# Altium PCB BW1097.PcbDoc (part 2 of 7) (continued)
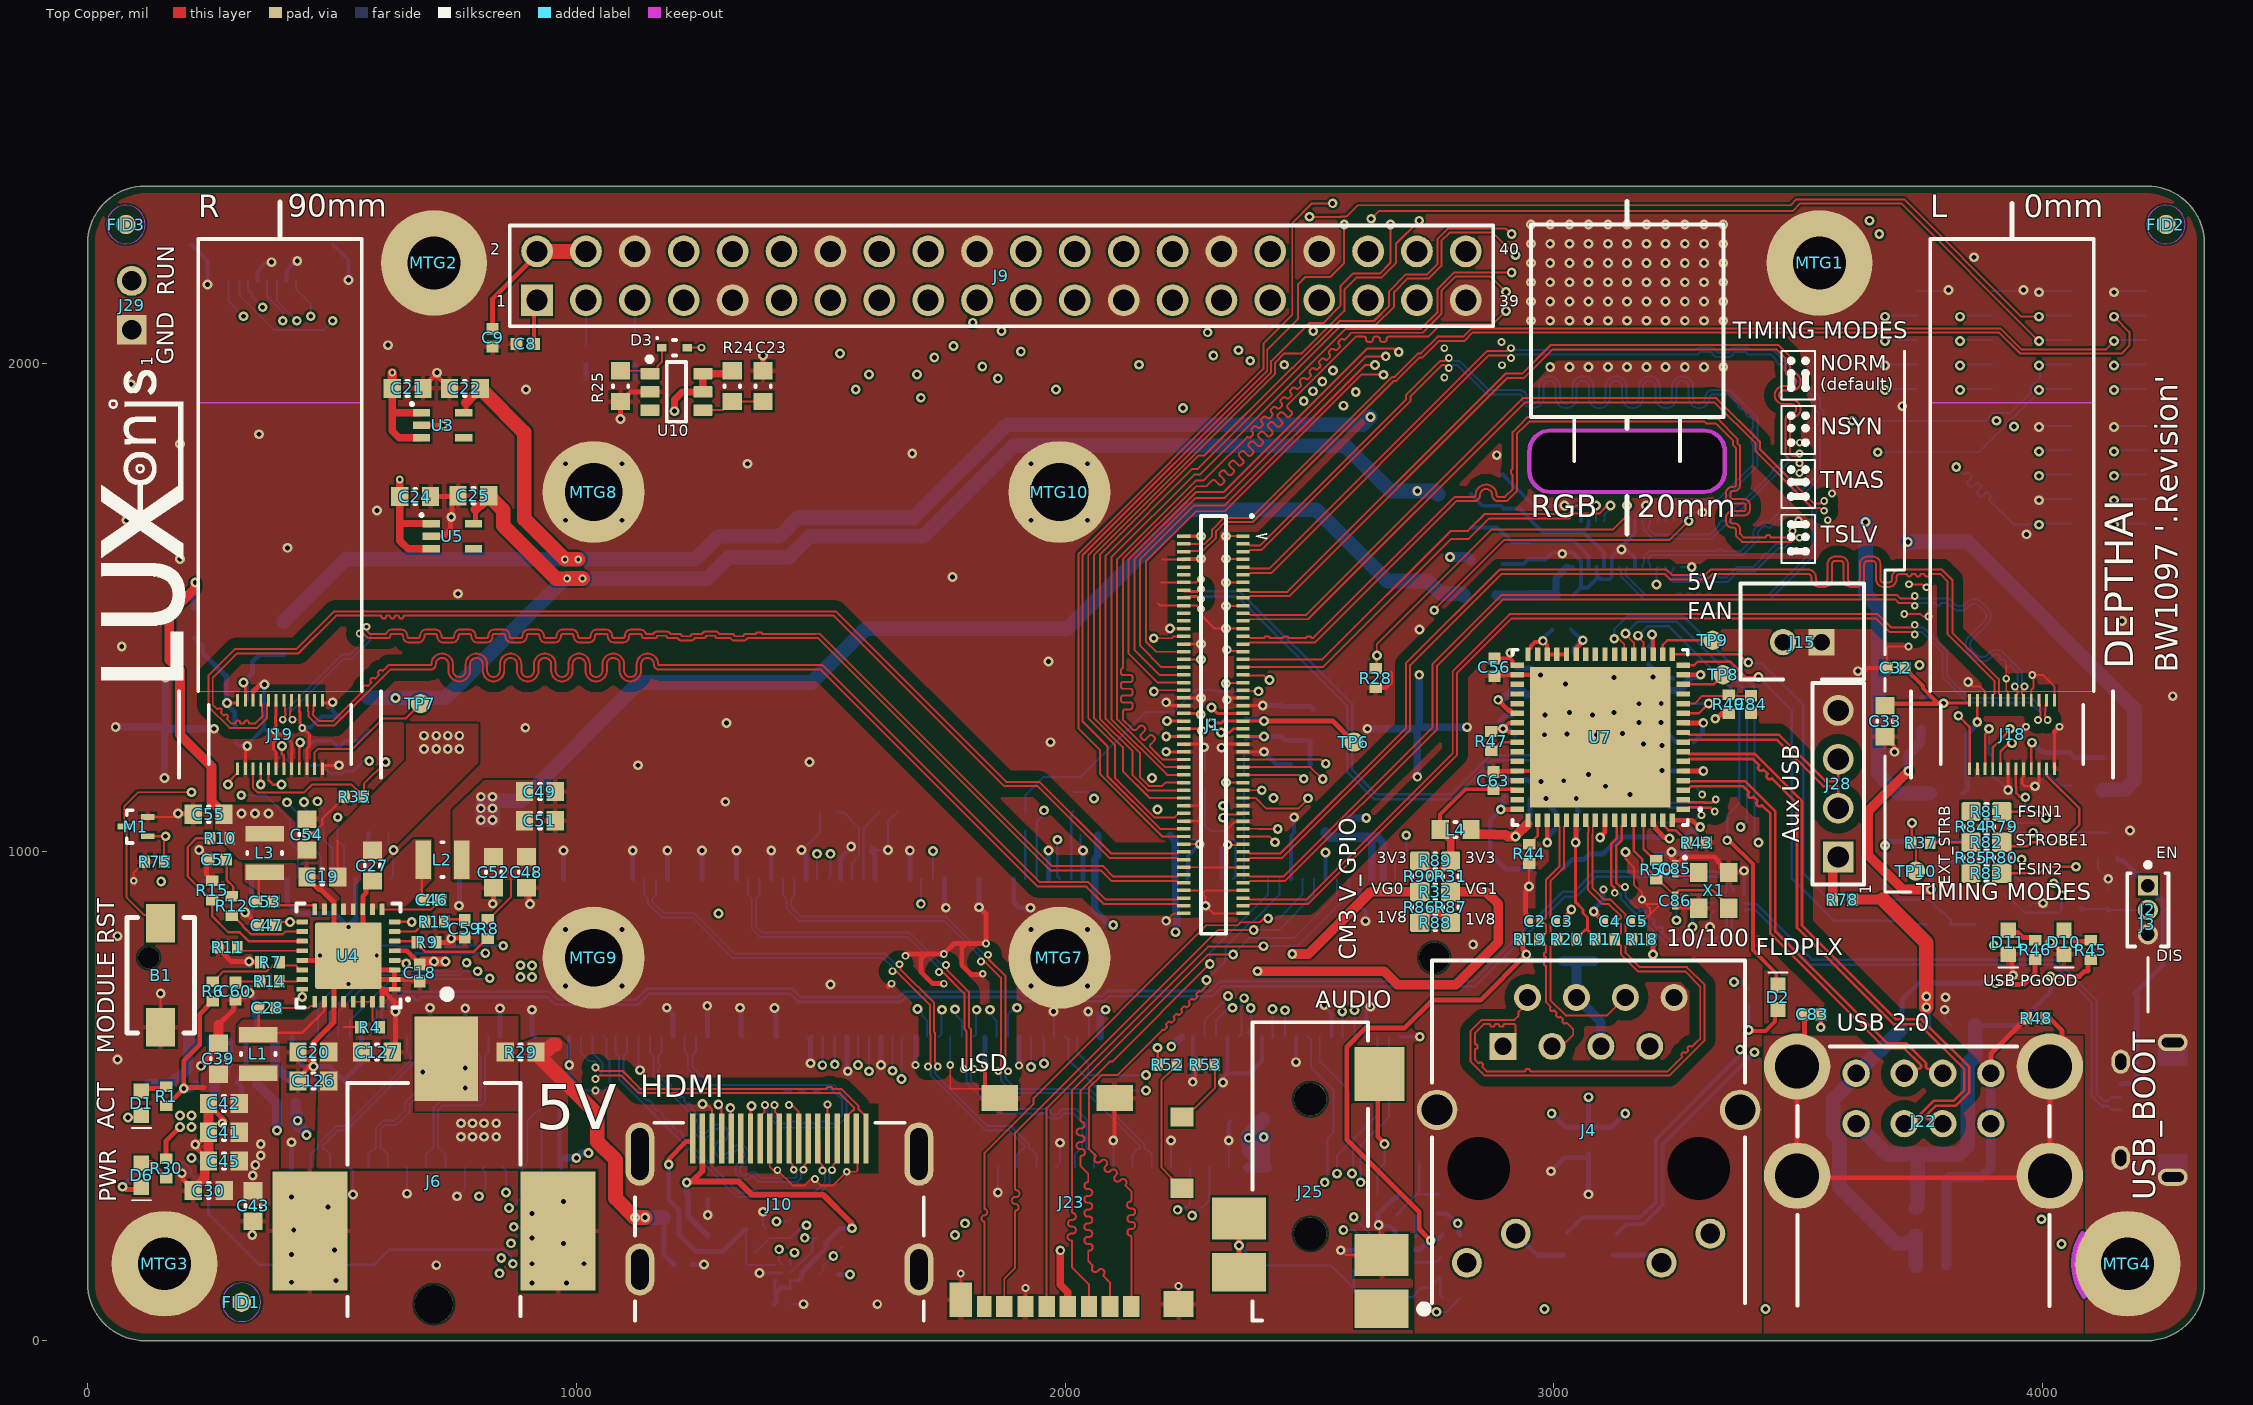
[diagram p0: Top Copper view]
## Part data (continued)
R70 R72: library part RC0402FR-07100RL, "RES SMD 100 OHM 1% 1/16W 0402", Case/Package=0402, Case Code (Metric)=1005, Manufacturer 1=Yageo, Max Operating Temperature=155°C, Min Operating Temperature=-55°C, Power Rating=62.5mW, Resistance=100R, Supplier Part Number 1=311-100LRCT-ND, Temperature Coefficient=100ppm/°C, Tolerance=1%, Voltage Rating=50V, Case Code (Imperial)=0402, ComponentLink1Description=https://datasheet.ciiva.com/7849/1784430-7849810.pdf?src-supplier=Element14, ComponentLink1URL=https://datasheet.ciiva.com/7849/1784430-7849810.pdf?src-supplier=Element14, ComponentLink2Description=https://datasheet.ciiva.com/11808/0900766b80c66297-11808765.pdf?src-supplier=RSComponents, ComponentLink2URL=https://datasheet.ciiva.com/11808/0900766b80c66297-11808765.pdf?src-supplier=RSComponents, ComponentLink3Description=https://datasheet.ciiva.com/12667/pyu-rc0402-51-rohs-l-6-r-12667957.pdf?src-supplier=Mouser, ComponentLink3URL=https://datasheet.ciiva.com/12667/pyu-rc0402-51-rohs-l-6-r-12667957.pdf?src-supplier=Mouser, ComponentLink4Description=https://datasheet.ciiva.com/22747/1018594-22747511.pdf?src-supplier=Element14, ComponentLink4URL=https://datasheet.ciiva.com/22747/1018594-22747511.pdf?src-supplier=Element14, ComponentLink5Description=https://datasheet.ciiva.com/28367/1018594-28367226.pdf?src-supplier=Element14, ComponentLink5URL=https://datasheet.ciiva.com/28367/1018594-28367226.pdf?src-supplier=Element14, ComponentLink6Description=https://datasheet.ciiva.com/16740/pyu-rc0402-51-rohs-l-6-r-16740566.pdf?src-supplier=Future+Electronics, ComponentLink6URL=https://datasheet.ciiva.com/16740/pyu-rc0402-51-rohs-l-6-r-16740566.pdf?src-supplier=Future+Electronics, ComponentLink7Description=https://datasheet.ciiva.com/15189/getdatasheetpartid-329466-15189335.pdf?src-supplier=Verical, ComponentLink7URL=https://datasheet.ciiva.com/15189/getdatasheetpartid-329466-15189335.pdf?src-supplier=Verical, Composition="Thick Film", Depth=0.5mm, Height=0.32mm, Lead Free="Lead Free", Length=1mm, Manufacturer Part Number 1=RC0402FR-07100RL, Military Standard=Not, Number of Pins=2, Packaging="Tape and Reel", Pricing 1="1=0.10000, 10=0.01600, 100=0.00640, 1000=0.00289, 2500=0.00251, 5000=0.00207 (USD)", REACH SVHC="No SVHC", RoHS=Yes, Stock 1=45349485, Supplier 1=Digi-Key, Supplier 2=Newark, Supplier 3=Mouser, Supplier Part Number 2=45Y6897, Supplier Part Number 3=603-RC0402FR-07100RL, Termination=SMD/SMT, Voltage Rating (DC)=50V, Width=0.5mm
TP6 TP7 TP8 TP9 TP10: library part TEST_POINT
U1: "LOAD SWITCH SC59", Case/Package=TO-236-3, Current=200mA, Manufacturer 1=Diodes, Max Operating Temperature=85°C, Max Supply Voltage=5.2V, Min Operating Temperature=-40°C, Min Supply Voltage=2.7V, On-State Resistance=350mR, Package Quantity=3000, Supplier Part Number 1=AP2331W-7DICT-ND, ComponentLink1Description=https://datasheet.ciiva.com/18567/ap2331-18567929.pdf?src-supplier=Digi-Key, ComponentLink1URL=https://datasheet.ciiva.com/18567/ap2331-18567929.pdf?src-supplier=Digi-Key, ComponentLink2Description=https://datasheet.ciiva.com/18567/ap2331-18567928.pdf?src-supplier=Digi-Key, ComponentLink2URL=https://datasheet.ciiva.com/18567/ap2331-18567928.pdf?src-supplier=Digi-Key, ComponentLink3Description=https://datasheet.ciiva.com/18567/ap2331-18567930.pdf?src-supplier=Digi-Key, ComponentLink3URL=https://datasheet.ciiva.com/18567/ap2331-18567930.pdf?src-supplier=Digi-Key, Fault Protection="Over Temperature,Reverse Current", Height=1.3mm, Interface=On/Off, Length=3.1mm, Manufacturer Part Number 1=AP2331W-7, Max Output Current=200mA, Mount="Surface Mount", Number of Outputs=1, Number of Pins=59, Output Configuration="High Side", Output Current=200mA, Packaging="Tape and Reel", Pricing 1="1=0.40000, 10=0.34100, 100=0.23660, 500=0.19110, 1000=0.14105 (USD)", Radiation Hardening=No, REACH SVHC="No SVHC", RoHS=Yes, Stock 1=5467, Supplier 1=Digi-Key, Supplier 2=Mouser, Supplier 3=Arrow, Supplier Part Number 2=621-AP2331W-7, Supplier Part Number 3=AP2331W-7, Turn-On Delay Time=700us, Voltage=5.2V, Width=1.7mm
U2: "TVS DIODE 3V 9WLCSP", Capacitance=29pF, Manufacturer 1="ON Semiconductor", Max Operating Temperature=85°C, Max Reverse Leakage Current=200nA, Min Breakdown Voltage=6V, Min Operating Temperature=-30°C, Package Quantity=5000, Power Line Protection=No, Reverse Standoff Voltage=3V, Supplier Part Number 1=ESD5384NCTBGOSCT-ND, ComponentLink1Description=https://datasheet.ciiva.com/11195/esd5384-d-11195286.pdf?src-supplier=Avnet, ComponentLink1URL=https://datasheet.ciiva.com/11195/esd5384-d-11195286.pdf?src-supplier=Avnet, ComponentLink2Description=https://datasheet.ciiva.com/12545/esd5384-d-119513-12545067.pdf?src-supplier=Mouser, ComponentLink2URL=https://datasheet.ciiva.com/12545/esd5384-d-119513-12545067.pdf?src-supplier=Mouser, ComponentLink3Description=https://datasheet.ciiva.com/354/esd5384-d-354168.pdf?src-supplier=Digi-Key, ComponentLink3URL=https://datasheet.ciiva.com/354/esd5384-d-354168.pdf?src-supplier=Digi-Key, Composition=Zener, Depth=1.14mm, Direction=Unidirectional, ESD Protection=Yes, Halogen Free="Halogen Free", Height=0.63mm, Lead Free="Lead Free", Length=1.14mm, Manufacturer Part Number 1=ESD5384NCTBG, Number of Lines=5, Number of Pins=9, Number of Unidirectional Channels=5, Packaging="Tape and Reel", Pricing 1="1=0.45000, 10=0.38600, 100=0.26780, 500=0.20910, 1000=0.16995 (USD)", Radiation Hardening=No, RoHS=Yes, Stock 1=729, Supplier 1=Digi-Key, Supplier 2=RSComponents, Supplier Part Number 2=8010213, Width=1.14mm
U3: "IC REG LINEAR 1.2V 200MA SC70-5", Case/Package=SC, Dropout Voltage=175mV, Manufacturer 1="Texas Instruments", Manufacturer Part Number 1=TLV70012DCKR, Manufacturer Part Number 2=TLV70012DCKT, Max Input Voltage=5.5V, Max Operating Temperature=125°C, Max Output Current=200mA, Max Output Voltage=1.2V, Max Power Dissipation=320mW, Min Current Limit=220mA, Min Input Voltage=2V, Min Operating Temperature=-40°C, Output Voltage Accuracy=2%, Package Quantity=1, Quiescent Current=30uA, Supplier Part Number 1=296-27438-1-ND, Accuracy=2%, ComponentLink1Description=https://datasheet.ciiva.com/26909/tlv70012dckr-26909420.pdf?src-supplier=IIIC, ComponentLink1URL=https://datasheet.ciiva.com/26909/tlv70012dckr-26909420.pdf?src-supplier=IIIC, ComponentLink2Description=https://datasheet.ciiva.com/46448/1836520-46448747.pdf?src-supplier=Element14, ComponentLink2URL=https://datasheet.ciiva.com/46448/1836520-46448747.pdf?src-supplier=Element14, ComponentLink3Description=http://components.arrow.com/part/dataview/48874348S9524109N7713?src-supplier=Arrow, ComponentLink3URL=http://components.arrow.com/part/dataview/48874348S9524109N7713?src-supplier=Arrow, ComponentLink4Description=http://components.arrow.com/part/dataview/0323_02210905?src-supplier=Arrow+Europe, ComponentLink4URL=http://components.arrow.com/part/dataview/0323_02210905?src-supplier=Arrow+Europe, ComponentLink5Description=http://www.ti.com/general/docs/lit/getliterature.tsp?genericPartNumber=TLV700&&fileType=pdf&src-supplier=Avnet, ComponentLink5URL=http://www.ti.com/general/docs/lit/getliterature.tsp?genericPartNumber=TLV700&&fileType=pdf&src-supplier=Avnet, ComponentLink6Description=http://focus.ti.com/lit/ds/symlink/tlv70033.pdf?src-supplier=Avnet, ComponentLink6URL=http://focus.ti.com/lit/ds/symlink/tlv70033.pdf?src-supplier=Avnet, ComponentLink7Description=http://www.ti.com/lit/ds/slvsa00e/slvsa00e.pdf?src-supplier=Digi-Key, ComponentLink7URL=http://www.ti.com/lit/ds/slvsa00e/slvsa00e.pdf?src-supplier=Digi-Key, ComponentLink8Description=http://www.ti.com/litv/slvsa00d?src-supplier=Mouser, ComponentLink8URL=http://www.ti.com/litv/slvsa00d?src-supplier=Mouser, Contact Plating=Gold, Lead Free="Lead Free", Manufacturer 2="Texas Instruments", Min Output Voltage=1.2V, Nominal Output Voltage=1.2V, Number of Outputs=1, Number of Pins=5, Number of Regulators=1, Output Current=200mA, Output Type=Fixed, Output Voltage=1.2V, Packaging="Tape and Reel", Polarity=Positive, Power Dissipation=320mW, Pricing 1="1=0.48000, 10=0.40900, 100=0.30570, 500=0.24020, 1000=0.18561 (USD)", Pricing 2="1=0.43000, 10=0.38000, 25=0.35000, 100=0.30000, 250=0.27000, 500=0.21000, 750=0.16000, 1000=0.14000 (USD)", Radiation Hardening=No, REACH SVHC="No SVHC", RoHS=Yes, Stock 1=8389, Stock 2=250, Supplier 1=Digi-Key, Supplier 2="TI store", Supplier Part Number 2=TLV70012DCKT
U4: "IC REG BCK ADJ 3A/2A TRPL 32VQFN Buck Switching Regulator IC Positive Adjustable 0.6V 3 Output 3A, 2A 32-VFQFN Exposed Pad", Case/Package=VQFN, Current - Output 1=3A, Current - Output 2=2A, Manufacturer=TI, Manufacturer 1="Texas Instruments", Manufacturer PN=TPS65266, Max Input Voltage=6.5V, Max Operating Temperature=85°C, Min Input Voltage=2.7V, Min Operating Temperature=-40°C, Min Output Voltage=600mV, Package=32-VQFN, Package Quantity=250, Quiescent Current=340uA, Supplier Part Number 1=296-38685-1-ND, Switching Frequency=2.4MHz, ComponentLink1Description=http://www.ti.com/general/docs/lit/getliterature.tsp?genericPartNumber=TPS65266&&fileType=pdf&src-supplier=Element14, ComponentLink1URL=http://www.ti.com/general/docs/lit/getliterature.tsp?genericPartNumber=TPS65266&&fileType=pdf&src-supplier=Element14, ComponentLink2Description=http://www.ti.com/general/docs/lit/getliterature.tsp?genericPartNumber=TPS65266&amp;&amp;fileType=pdf&src-supplier=Farnell, ComponentLink2URL=http://www.ti.com/general/docs/lit/getliterature.tsp?genericPartNumber=TPS65266&amp;&amp;fileType=pdf&src-supplier=Farnell, ComponentLink3Description=http://www.ti.com/general/docs/lit/getliterature.tsp?genericPartNumber=TPS65266&&fileType=pdf&src-supplier=Farnell, ComponentLink3URL=http://www.ti.com/general/docs/lit/getliterature.tsp?genericPartNumber=TPS65266&&fileType=pdf&src-supplier=Farnell, ComponentLink4Description=http://www.ti.com/lit/ds/symlink/tps65266.pdf?src-supplier=Digi-Key, ComponentLink4URL=http://www.ti.com/lit/ds/symlink/tps65266.pdf?src-supplier=Digi-Key, ComponentLink5Description=http://www.ti.com/lit/gpn/tps65266?src-supplier=Mouser, ComponentLink5URL=http://www.ti.com/lit/gpn/tps65266?src-supplier=Mouser, ComponentLink6Description=http://www.ti.com/general/docs/lit/getliterature.tsp?genericPartNumber=TPS65266&&fileType=pdf&src-supplier=Avnet, ComponentLink6URL=http://www.ti.com/general/docs/lit/getliterature.tsp?genericPartNumber=TPS65266&&fileType=pdf&src-supplier=Avnet, Lead Free="Lead Free", Manufacturer Part Number 1=TPS65266RHBT, Max Output Voltage=6.5V, Mount="Surface Mount", Number of Outputs=3, Number of Pins=32, Operating Supply Voltage=6.5V, Output Configuration=Positive, Output Current=2A, Output Type=Adjustable, Packaging="Tape and Reel", Pricing 1="1=4.01000, 10=3.59900, 100=2.94850 (USD)", REACH SVHC="No SVHC", RoHS=Yes, Stock 1=4557, Supplier 1=Digi-Key, Supplier 2="TI store", Supplier 3=Mouser, Supplier Part Number 2=TPS65266RHBT, Supplier Part Number 3=595-TPS65266RHBT, Synchronous Rectifier=Yes, Weight=0.002547oz
U5: "IC REG LINEAR 2.8V 200MA SC70-5 Linear Voltage Regulator IC  1 Output  200mA SC-70-5", Case/Package=SC, Dropout Voltage=175mV, Manufacturer 1="Texas Instruments", Manufacturer Part Number 1=TLV70028DCKT, Manufacturer Part Number 2=TLV70028DCKR, Max Input Voltage=5.5V, Max Operating Temperature=125°C, Max Output Current=200mA, Max Output Voltage=2.8V, Max Power Dissipation=320mW, Min Current Limit=220mA, Min Input Voltage=2V, Min Operating Temperature=-40°C, Nominal Supply Current=31uA, Output Voltage Accuracy=2%, Package Quantity=1, Quiescent Current=30uA, Supplier Part Number 1=296-25271-1-ND, Accuracy=2%, ComponentLink1Description=https://datasheet.ciiva.com/14149/tlv700-eng-ds-14149840.pdf?src-supplier=Distrelec, ComponentLink1URL=https://datasheet.ciiva.com/14149/tlv700-eng-ds-14149840.pdf?src-supplier=Distrelec, ComponentLink2Description=https://datasheet.ciiva.com/22700/1882059-22700172.pdf?src-supplier=Element14, ComponentLink2URL=https://datasheet.ciiva.com/22700/1882059-22700172.pdf?src-supplier=Element14, ComponentLink3Description=http://components.arrow.com/part/dataview/0323_00585634?src-supplier=Arrow+Europe, ComponentLink3URL=http://components.arrow.com/part/dataview/0323_00585634?src-supplier=Arrow+Europe, ComponentLink4Description=http://focus.ti.com/lit/ds/symlink/tlv70033.pdf?src-supplier=Avnet+Europe, ComponentLink4URL=http://focus.ti.com/lit/ds/symlink/tlv70033.pdf?src-supplier=Avnet+Europe, ComponentLink5Description=http://www.ti.com/lit/ds/slvsa00d/slvsa00d.pdf?src-supplier=Digi-Key, ComponentLink5URL=http://www.ti.com/lit/ds/slvsa00d/slvsa00d.pdf?src-supplier=Digi-Key, ComponentLink6Description=http://www.ti.com/lit/pdf/slyy050?src-supplier=Digi-Key, ComponentLink6URL=http://www.ti.com/lit/pdf/slyy050?src-supplier=Digi-Key, ComponentLink7Description=http://www.ti.com/general/docs/lit/getliterature.tsp?genericPartNumber=TLV700&&fileType=pdf&src-supplier=Avnet+Asia, ComponentLink7URL=http://www.ti.com/general/docs/lit/getliterature.tsp?genericPartNumber=TLV700&&fileType=pdf&src-supplier=Avnet+Asia, ComponentLink8Description=http://www.ti.com/general/docs/lit/getliterature.tsp?genericPartNumber=TLV700&&fileType=pdf&src-supplier=Avnet, ComponentLink8URL=http://www.ti.com/general/docs/lit/getliterature.tsp?genericPartNumber=TLV700&&fileType=pdf&src-supplier=Avnet, ComponentLink9Description=http://components.arrow.com/part/dataview/48329233S8322732N7713?src-supplier=Arrow, ComponentLink9URL=http://components.arrow.com/part/dataview/48329233S8322732N7713?src-supplier=Arrow, ComponentLink10Description=http://www.ti.com/litv/slvsa00d?src-supplier=Mouser, ComponentLink10URL=http://www.ti.com/litv/slvsa00d?src-supplier=Mouser, ComponentLink11Description=http://www.ti.com/lit/ds/slvsa00e/slvsa00e.pdf?src-supplier=Digi-Key, ComponentLink11URL=http://www.ti.com/lit/ds/slvsa00e/slvsa00e.pdf?src-supplier=Digi-Key, Contact Plating=Gold, Height=1mm, Lead Free="Lead Free", Length=2.15mm, Manufacturer 2="Texas Instruments", Max Supply Voltage=5.5V, Min Output Voltage=2.8V, Min Supply Voltage=2V, Nominal Output Voltage=2.8V, Number of Outputs=1, Number of Pins=5, Number of Regulators=1, Output Current=200mA, Output Type=Fixed, Output Voltage=2.8V, Packaging="Tape and Reel", Polarity=Positive, Power Dissipation=320mW, Power Rating=320mW, Pricing 1="1=0.55000, 10=0.46700, 100=0.34900 (USD)", Pricing 2="1=0.48000, 10=0.40900, 100=0.30570, 500=0.24020, 1000=0.18561 (USD)", Radiation Hardening=No, REACH SVHC="No SVHC", RoHS=Yes, Stock 1=832, Stock 2=30013, Supplier 1=Digi-Key, Supplier 2=Digi-Key, Supplier Part Number 2=296-39279-1-ND, Termination=SMD/SMT, Width=1.4mm
U6: library part FSUSB42UMX, "IC USB SWITCH DPDT 10UMLP", Manufacturer 1="ON Semiconductor / Fairchild", Max Operating Temperature=85°C, Max Supply Voltage=4.3V, Min Operating Temperature=-40°C, Min Supply Voltage=3V, Nominal Supply Current=1uA, On-State Resistance=6.5R, Output Current=100mA, Package Quantity=1, Supplier Part Number 1=FSUSB42UMXCT-ND, Bandwidth=720MHz, ComponentLink1Description=https://datasheet.ciiva.com/15108/getdatasheetpartid-189033-15108996.pdf?src-supplier=Verical, ComponentLink1URL=https://datasheet.ciiva.com/15108/getdatasheetpartid-189033-15108996.pdf?src-supplier=Verical, ComponentLink2Description=https://datasheet.ciiva.com/1504/1815547-1504946.pdf?src-supplier=Element14, ComponentLink2URL=https://datasheet.ciiva.com/1504/1815547-1504946.pdf?src-supplier=Element14, ComponentLink3Description=https://datasheet.ciiva.com/26074/fsusb42-26074741.pdf?src-supplier=Avnet+Europe, ComponentLink3URL=https://datasheet.ciiva.com/26074/fsusb42-26074741.pdf?src-supplier=Avnet+Europe, ComponentLink4Description=https://datasheet.ciiva.com/1561/fsusb42-1561415.pdf?src-supplier=Farnell, ComponentLink4URL=https://datasheet.ciiva.com/1561/fsusb42-1561415.pdf?src-supplier=Farnell, ComponentLink5Description=https://datasheet.ciiva.com/3233/fsusb42-3233259.pdf?src-supplier=Avnet, ComponentLink5URL=https://datasheet.ciiva.com/3233/fsusb42-3233259.pdf?src-supplier=Avnet, ComponentLink6Description=https://datasheet.ciiva.com/6638/fsusb42-6638604.pdf?src-supplier=Digi-Key, ComponentLink6URL=https://datasheet.ciiva.com/6638/fsusb42-6638604.pdf?src-supplier=Digi-Key, ComponentLink7Description=https://datasheet.ciiva.com/6638/fsusb42-6638607.pdf?src-supplier=Digi-Key, ComponentLink7URL=https://datasheet.ciiva.com/6638/fsusb42-6638607.pdf?src-supplier=Digi-Key, Data Rate=480Mbps, Height=0.5mm, Lead Free="Lead Free", Length=1.4mm, Manufacturer Part Number 1=FSUSB42UMX, Mount="Surface Mount", Number of Channels=1, Number of Inputs=2, Number of Outputs=2, Number of Pins=10, Number of Ports=2, Operating Supply Voltage=4.3V, Packaging="Tape and Reel", Pricing 1="1=0.59000, 10=0.50200, 100=0.34810, 500=0.28120, 1000=0.20755 (USD)", Propagation Delay=0.25ns, Radiation Hardening=No, REACH SVHC="No SVHC", RoHS=Yes, Stock 1=31151, Supplier 1=Digi-Key, Supplier 2=Mouser, Supplier 3=Arrow, Supplier 4=Farnell, Supplier Part Number 2=512-FSUSB42UMX, Supplier Part Number 3=FSUSB42UMX, Supplier Part Number 4=1495467, Supply Type=Single, Termination=SMD/SMT, Throw Configuration=DPDT, Turn-Off Delay Time=25ns, Turn-On Delay Time=30ns, Weight=18.08g, Width=1.8mm
U7: "IC USB 2.0 ETHER CTRLR 64QFN Ethernet Bridge, USB to Ethernet USB 2.0, 10/100 Base-T/TX PHY USB Interface 64-QFN (9x9)", Case/Package=QFN, Manufacturer 1=Microchip, Max Operating Temperature=70°C, Max Power Dissipation=951mW, Max Supply Voltage=3.6V, Min Operating Temperature=0°C, Min Supply Voltage=3V, Operating Supply Current=288mA, Operating Supply Voltage=3.3V, Package Quantity=260, Supplier Part Number 1=638-1087-ND, ComponentLink1Description="Manufacturer URL", ComponentLink1URL=www.microchip.com/, ComponentLink2Description=Datasheet, ComponentLink2URL=http://ww1.microchip.com/downloads/en/DeviceDoc/9514.pdf, ComponentLink3Description="Package Specification", ComponentLink3URL=http://ww1.microchip.com/downloads/en/DeviceDoc/9514.pdf, ComponentLink4Description=https://datasheet.ciiva.com/30478/0900766b811a553b-30478372.pdf?src-supplier=RSComponents, ComponentLink4URL=https://datasheet.ciiva.com/30478/0900766b811a553b-30478372.pdf?src-supplier=RSComponents, ComponentLink5Description=https://datasheet.ciiva.com/16372/lan9514-jzx-16372060.pdf?src-supplier=Future+Electronics, ComponentLink5URL=https://datasheet.ciiva.com/16372/lan9514-jzx-16372060.pdf?src-supplier=Future+Electronics, ComponentLink6Description=https://datasheet.ciiva.com/22656/1686386-22656488.pdf?src-supplier=Element14, ComponentLink6URL=https://datasheet.ciiva.com/22656/1686386-22656488.pdf?src-supplier=Element14, ComponentLink7Description=https://datasheet.ciiva.com/29305/651385-da-01-en-ic-e-ctrlr-lan9514-jzx-qfn-64-9x9-mcp-29305397.pdf?src-supplier=Conrad, ComponentLink7URL=https://datasheet.ciiva.com/29305/651385-da-01-en-ic-e-ctrlr-lan9514-jzx-qfn-64-9x9-mcp-29305397.pdf?src-supplier=Conrad, Contact Plating=Tin,Matte, Data Rate=1.5Mbps, Height=0.95mm, Interface=USB, Lead Free="Lead Free", Length=9.1mm, Manufacturer Part Number 1=LAN9514-JZX, Number of Pins=64, Number of Ports=5, Packaging=Tray, Pricing 1="1=5.71000, 25=4.75880, 100=4.32600 (USD)", Radiation Hardening=No, REACH SVHC="No SVHC", RoHS=Yes, Stock 1=4064, Supplier 1=Digi-Key, Supplier 2=Mouser, Supplier Part Number 2=886-LAN9514-JZX, Weight=0.007277oz, Width=9.1mm
U8: "IC PW DIST SW DUAL 8SOIC Power Switch/Driver 1:2 N-Channel 500mA 8-SOIC", Case/Package=SOIC, Current Rating=1.25A, Drain to Source Resistance=140mR, Manufacturer=Micrel, Manufacturer 1="Microchip Micrel", Maximum Operating Temperature=+85C, Max Input Voltage=5.5V, Max Operating Temperature=85°C, Max Output Current=500mA, Minimum Operating Temperature=-40C, Min Input Voltage=2.7V, Min Operating Temperature=-40°C, Nominal Supply Current=5uA, On-State Resistance=90mR, On Resistance (Max)=140mOhms, Operating Temperature Range=-40Cto+85C, Package / Case=SOIC-8, Package Description="8-Pin Small Outline Integrated Circuit, Body 4.89 x 3.9 mm, Pitch 1.27 mm", Package Quantity=95, Supplier Part Number 1=576-2137-ND, Supply Current=20uA, Brand=Micrel, ComponentLink1Description=https://datasheet.ciiva.com/15108/getdatasheetpartid-144496-15108418.pdf?src-supplier=Verical, ComponentLink1URL=https://datasheet.ciiva.com/15108/getdatasheetpartid-144496-15108418.pdf?src-supplier=Verical, ComponentLink2Description=https://datasheet.ciiva.com/1962/mic2026-1962595.pdf?src-supplier=Digi-Key, ComponentLink2URL=https://datasheet.ciiva.com/1962/mic2026-1962595.pdf?src-supplier=Digi-Key, ComponentLink3Description=https://datasheet.ciiva.com/1512/29485-1512781.pdf?src-supplier=Element14, ComponentLink3URL=https://datasheet.ciiva.com/1512/29485-1512781.pdf?src-supplier=Element14, Datasheet URL=http://ww1.microchip.com/downloads/en/DeviceDoc/mic2026.pdf, Datasheet Version=06/2010, Factory Pack Quantity=95, Fault Protection="Over Temperature", Height=1.63mm, Interface=On/Off, Lead Free="Lead Free", Length=5mm, Manufacturer Part Number 1=MIC2026-1YM, Manufacturer URL=http://www.microchip.com/, Max Supply Voltage=5.5V, Min Supply Voltage=2.7V, Mount="Surface Mount", Mounting Style=SMD/SMT, Mounting Technology=SurfaceMount, Number of Channels=2, Number of Outputs=2, Number of Pins=8, Number of Switches=Dual, Off Time (Max)=100us, Off Time - Max=100us, On Resistance - Max=140mOhms, On Time (Max)=5ms, On Time - Max=5ms, Output Configuration="High Side", Package Reference=SOIC-8, Packaging=Tube, Pricing 1="1=1.03000, 25=0.86520, 100=0.78280 (USD)", Product Category=USBSwitchICs, Radiation Hardening=No, REACH SVHC="No SVHC", RoHS=Details, Series=MIC2026, Stock 1=3907, Supplier 1=Digi-Key, Supplier 2=Mouser, Supplier Part Number 2=998-MIC2026-1YM, Supply Voltage - Max=5.5V, Supply Voltage - Min=2.7V, Switch Configuration=USBSwitch, Turn-Off Delay Time=100us, Turn-On Delay Time=5ms, Width=3.99mm
U9: "IC BUF NON-INVERT 5.5V SC70-6 Buffer, Non-Inverting 2 Element 1 Bit per Element Push-Pull Output SC-88 (SC-70-6)", Case/Package=SC, High Level Output Current=-32mA, Low Level Output Current=32mA, Manufacturer 1="ON Semiconductor / Fairchild", Max Operating Temperature=125°C, Max Power Dissipation=180mW, Max Supply Voltage=5.5V, Min Operating Temperature=-40°C, Min Supply Voltage=1.65V, Package Quantity=3000, Quiescent Current=1uA, Supplier Part Number 1=NC7WZ16P6XCT-ND, ComponentLink1Description=https://datasheet.ciiva.com/5701/1725615-5701889.pdf?src-supplier=Farnell, ComponentLink1URL=https://datasheet.ciiva.com/5701/1725615-5701889.pdf?src-supplier=Farnell, ComponentLink2Description=https://datasheet.ciiva.com/15094/getdatasheetpartid-92041-15094657.pdf?src-supplier=Verical, ComponentLink2URL=https://datasheet.ciiva.com/15094/getdatasheetpartid-92041-15094657.pdf?src-supplier=Verical, ComponentLink3Description=https://datasheet.ciiva.com/27051/1028128-27051265.pdf?src-supplier=Jameco, ComponentLink3URL=https://datasheet.ciiva.com/27051/1028128-27051265.pdf?src-supplier=Jameco, ComponentLink4Description=https://datasheet.ciiva.com/8260/nc7wz16-8260101.pdf?src-supplier=Avnet, ComponentLink4URL=https://datasheet.ciiva.com/8260/nc7wz16-8260101.pdf?src-supplier=Avnet, ComponentLink5Description=https://datasheet.ciiva.com/17332/nc7wz16-17332853.pdf?src-supplier=Future+Electronics, ComponentLink5URL=https://datasheet.ciiva.com/17332/nc7wz16-17332853.pdf?src-supplier=Future+Electronics, ComponentLink6Description=https://datasheet.ciiva.com/8260/nc7wz16-8260105.pdf?src-supplier=Avnet, ComponentLink6URL=https://datasheet.ciiva.com/8260/nc7wz16-8260105.pdf?src-supplier=Avnet, ComponentLink7Description=https://datasheet.ciiva.com/26096/nc7wz16-26096508.pdf?src-supplier=Avnet+Europe, ComponentLink7URL=https://datasheet.ciiva.com/26096/nc7wz16-26096508.pdf?src-supplier=Avnet+Europe, ComponentLink8Description=https://datasheet.ciiva.com/1832/nc7wz16-1832237.pdf?src-supplier=Digi-Key, ComponentLink8URL=https://datasheet.ciiva.com/1832/nc7wz16-1832237.pdf?src-supplier=Digi-Key, ComponentLink9Description=https://datasheet.ciiva.com/7971/1725615-7971037.pdf?src-supplier=Element14, ComponentLink9URL=https://datasheet.ciiva.com/7971/1725615-7971037.pdf?src-supplier=Element14, ComponentLink10Description=https://datasheet.ciiva.com/1832/nc7wz16-1832238.pdf?src-supplier=Digi-Key, ComponentLink10URL=https://datasheet.ciiva.com/1832/nc7wz16-1832238.pdf?src-supplier=Digi-Key, ComponentLink11Description=https://datasheet.ciiva.com/1832/nc7wz16-1832239.pdf?src-supplier=Digi-Key, ComponentLink11URL=https://datasheet.ciiva.com/1832/nc7wz16-1832239.pdf?src-supplier=Digi-Key, Contact Plating=Tin,Matte, Height=1mm, Lead Free="Lead Free", Length=2mm, Logic Function=Buffer,Inverting, Manufacturer Part Number 1=NC7WZ16P6X, Mount="Surface Mount", Number of Bits=2, Number of Bits per Element=1, Number of Channels=2, Number of Circuits=2, Number of Elements=2, Number of Input Lines=2, Number of Inputs=2, Number of Output Lines=2, Number of Outputs=2, Number of Pins=6, Packaging="Tape and Reel", Polarity=Non-Inverting, Pricing 1="1=0.44000, 10=0.32600, 100=0.18480, 500=0.12238, 1000=0.09382 (USD)", Propagation Delay=3.8ns, Radiation Hardening=No, REACH SVHC="No SVHC", RoHS=Yes, Stock 1=89814, Supplier 1=Digi-Key, Termination=SMD/SMT, Turn-On Delay Time=10.6ns, Weight=0.028g, Width=1.25mm